# Altium PCB Spektrop2_Processor_Board_V1_draft_v4.PcbDoc (part 2 of 4)
Units mm, origin at the board's own origin, x right, y up, seen from the top; angles counter-clockwise.
Board outline 42 x 42 mm, 8 copper layers (TOP, L1-GND, L2, L3-1V8, L4-PWR, L5, L6-GND, BTM), stack 1.554 mm thick; 281 components, 241 nets, 1443 pads, 627 vias.
Unrouted connection lines stored in the file: 18.
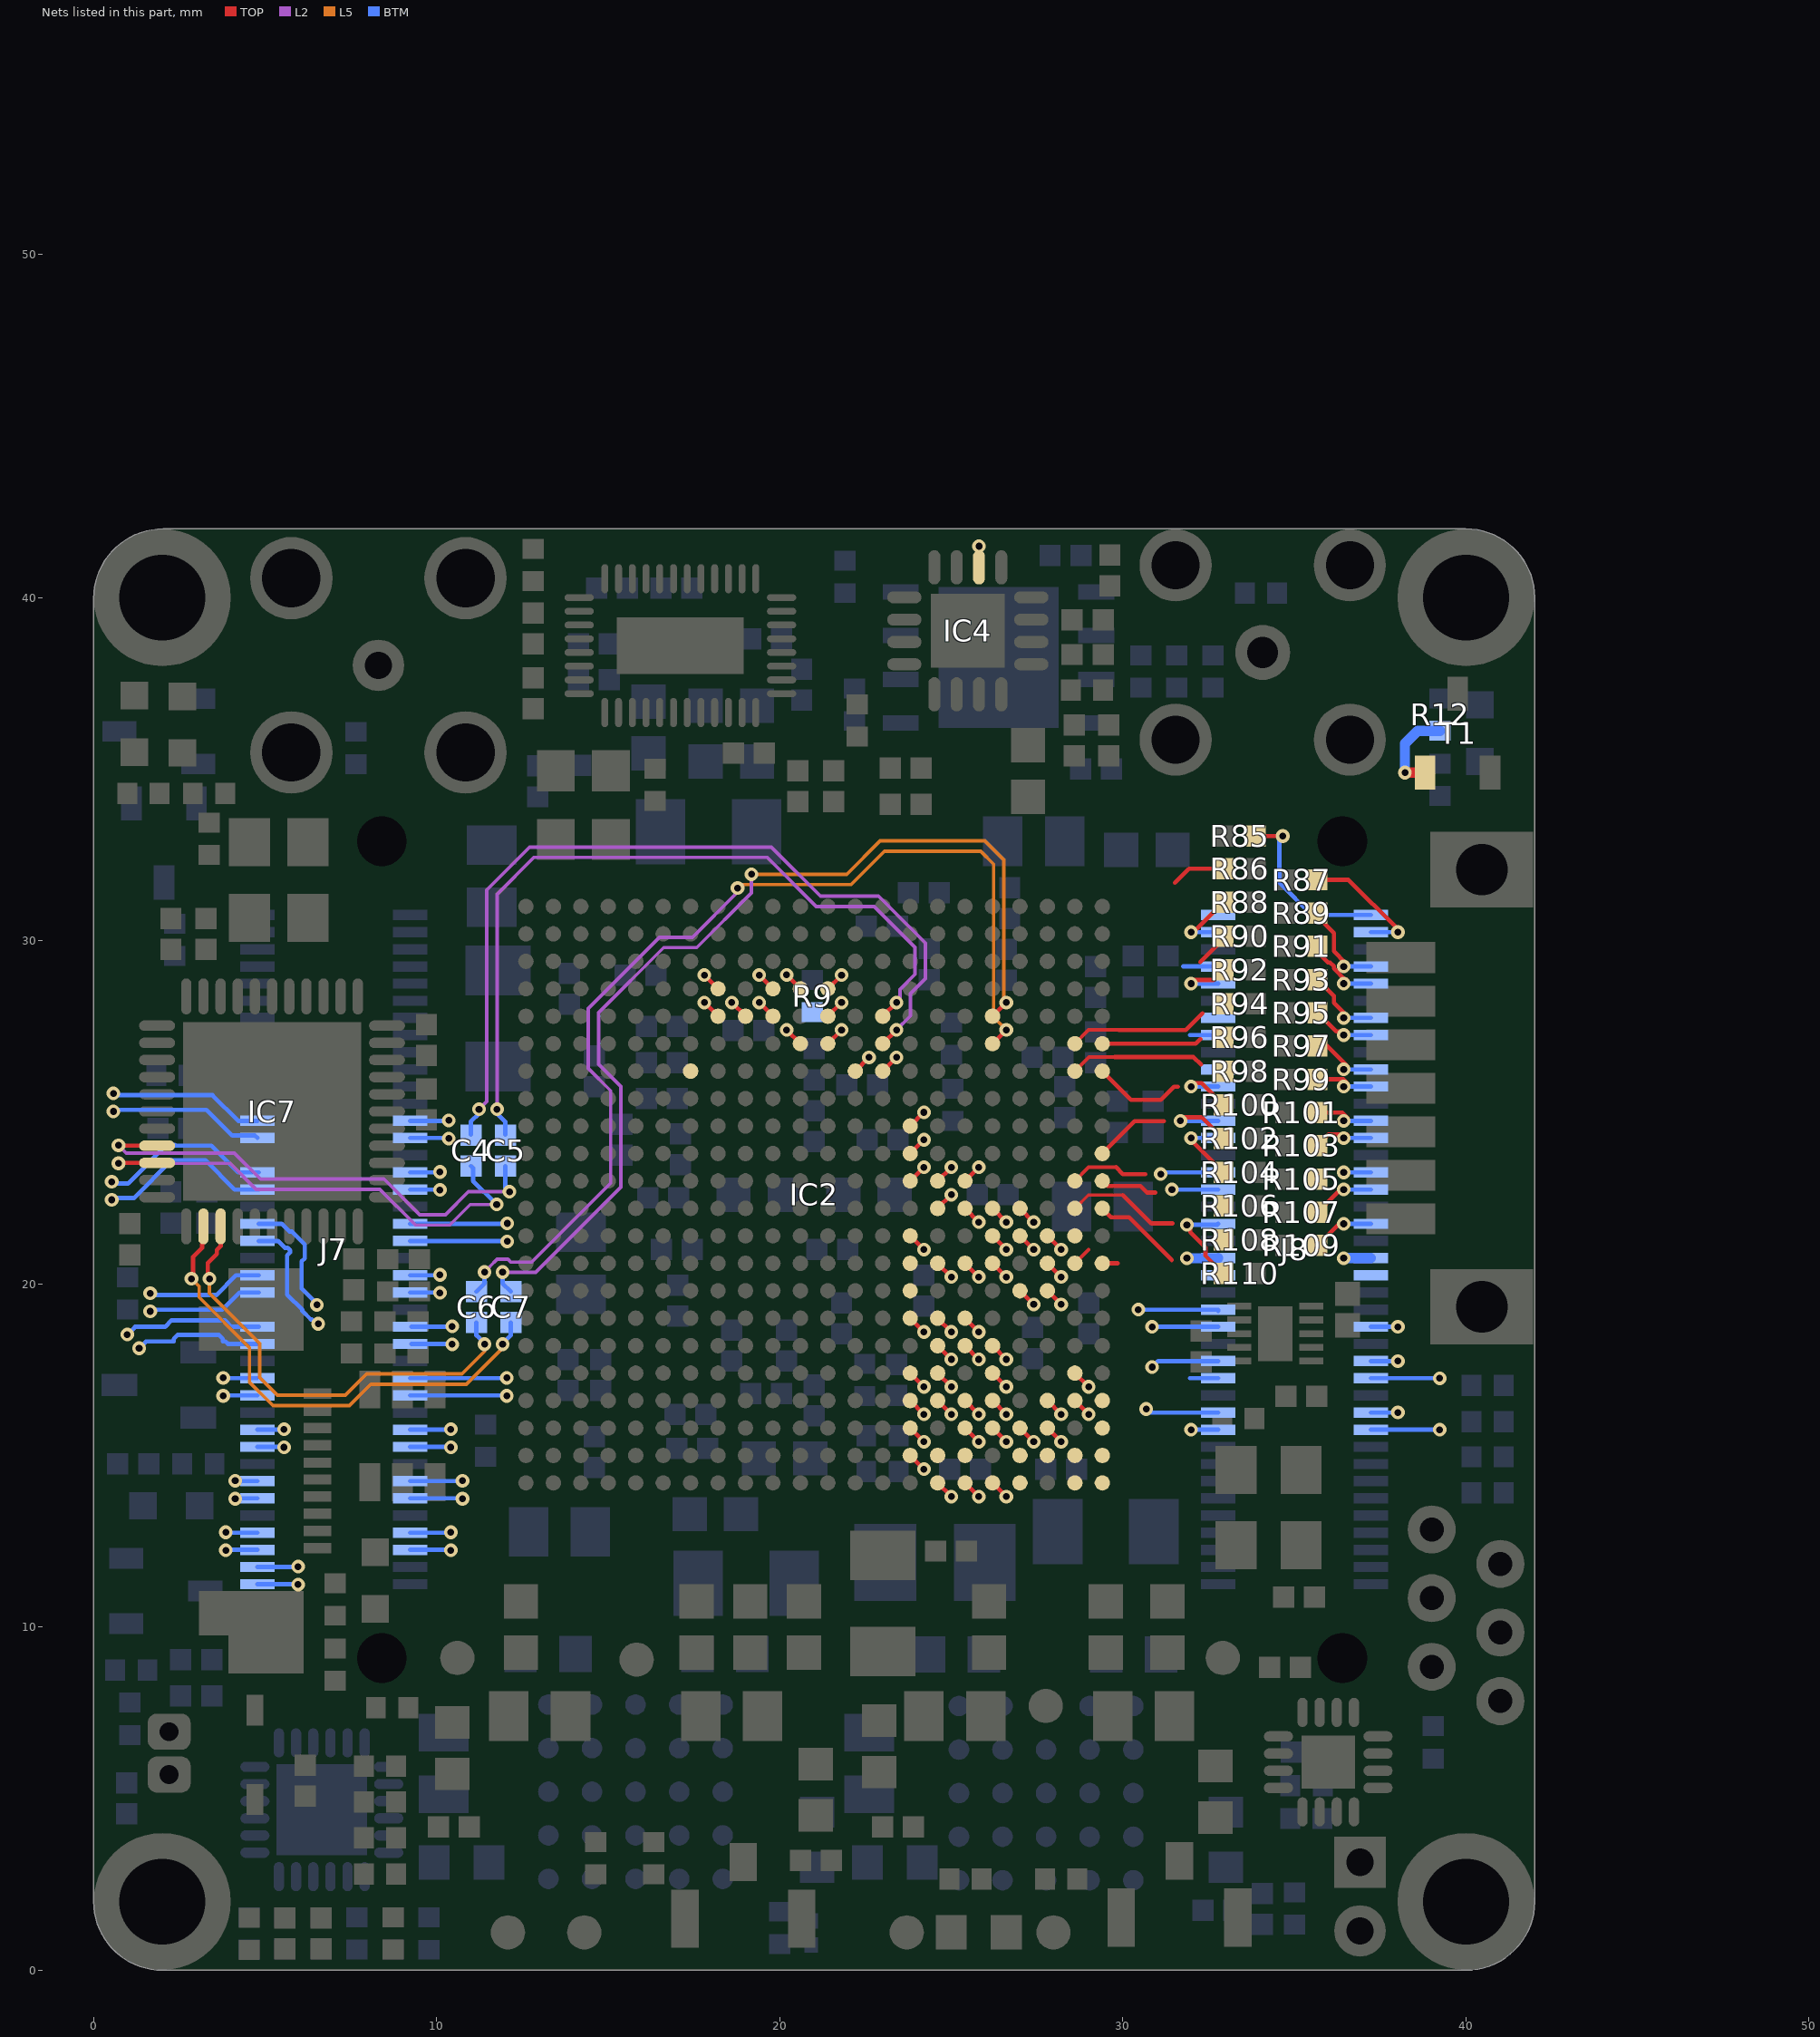
[diagram p8: the nets of this part, all layers, seen from the top]

## Footprints (in the part's own frame and the unit in brackets; to place one, negate y for a bottom-side part, rotate by r counter-clockwise, add the part's x,y. Pads: shape width x height; smd on the part's side, far side on the other; paste and mask are expansions set on the pad) (continued)
QFN65P400X400X95-17N-S215 [mm] "QFN, 0.65mm Pitch, Square; 16 Pin, 4.00mm L X 4.00mm W X 0.95mm H Body (w/Thermal tab 2.15 X 2.15mm), IPC Medium Density"
  oval 1x0.35 smd: 1(-1.85,0.975) 2(-1.85,0.325) 3(-1.85,-0.325) 4(-1.85,-0.975) 9(1.85,-0.975) 10(1.85,-0.325) 11(1.85,0.325) 12(1.85,0.975)
  oval 0.35x1 smd: 5(-0.975,-1.85) 6(-0.325,-1.85) 7(0.325,-1.85) 8(0.975,-1.85) 13(0.975,1.85) 14(0.325,1.85) 15(-0.325,1.85) 16(-0.975,1.85)
  rect 2.15x2.15 smd: 17(0,0)
  silkscreen extent -3.07,-2 2,2, body extent -2,-2 2,2, height 0.95
RESC1005X40N [mm] "Chip Resistor, EIA 0402, Metric 1005, Body 1.0x0.5mm, IPC Medium Density"
  rect 0.58x0.62 smd: 1(-0.47,0) 2(0.47,0)
  body extent -0.52,-0.27 0.53,0.28, height 0.4
RESC1608X55N [mm] "Chip Resistor, EIA 0603, Metric 1608, Body 1.6x0.8mm, IPC Medium Density"
  rect 0.9x1 smd: 1(-0.8,0) 2(0.8,0)
  body extent -0.87,-0.47 0.88,0.48, height 0.55
SAMTEC_ERF5-040-05.0-L-DV-K [mm] "80 Contacts, Pitch 0.5mm, Edge Rate™ Rugged High Speed Straight Socket Strip"
  rect 0.3x1 smd: 1(9.75,2.225) 2(9.75,-2.225) 3(9.25,2.225) 4(9.25,-2.225) 5(8.75,2.225) 6(8.75,-2.225) 7(8.25,2.225) 8(8.25,-2.225) 9(7.75,2.225) 10(7.75,-2.225) 11(7.25,2.225) 12(7.25,-2.225) 13(6.75,2.225) 14(6.75,-2.225) 15(6.25,2.225) 16(6.25,-2.225) 17(5.75,2.225) 18(5.75,-2.225) 19(5.25,2.225) 20(5.25,-2.225) 21(4.75,2.225) 22(4.75,-2.225) 23(4.25,2.225) 24(4.25,-2.225) 25(3.75,2.225) 26(3.75,-2.225) 27(3.25,2.225) 28(3.25,-2.225) 29(2.75,2.225) 30(2.75,-2.225) 31(2.25,2.225) 32(2.25,-2.225) 33(1.75,2.225) 34(1.75,-2.225) 35(1.25,2.225) 36(1.25,-2.225) 37(0.75,2.225) 38(0.75,-2.225) 39(0.25,2.225) 40(0.25,-2.225) 41(-0.25,2.225) 42(-0.25,-2.225) 43(-0.75,2.225) 44(-0.75,-2.225) 45(-1.25,2.225) 46(-1.25,-2.225) 47(-1.75,2.225) 48(-1.75,-2.225) 49(-2.25,2.225) 50(-2.25,-2.225) 51(-2.75,2.225) 52(-2.75,-2.225) 53(-3.25,2.225) 54(-3.25,-2.225) 55(-3.75,2.225) 56(-3.75,-2.225) 57(-4.25,2.225) 58(-4.25,-2.225) 59(-4.75,2.225) 60(-4.75,-2.225) 61(-5.25,2.225) 62(-5.25,-2.225) 63(-5.75,2.225) 64(-5.75,-2.225) 65(-6.25,2.225) 66(-6.25,-2.225) 67(-6.75,2.225) 68(-6.75,-2.225) 69(-7.25,2.225) 70(-7.25,-2.225) 71(-7.75,2.225) 72(-7.75,-2.225) 73(-8.25,2.225) 74(-8.25,-2.225) 75(-8.75,2.225) 76(-8.75,-2.225) 77(-9.25,2.225) 78(-9.25,-2.225) 79(-9.75,2.225) 80(-9.75,-2.225)
  round 0.5 hole 1.45 unplated mask+0.475: 81(-11.9,1.4) 82(11.9,1.4)
  silkscreen extent -13.4,-2.47 13.4,2.47, body extent -13.4,-2.47 13.4,2.48, height 4.91
SOD2513X114N [mm] "SOD-323 Diode; 1.75mm W X 1.30mm L X 1.14mm H Body, IPC Medium Density"
  rect 0.9x0.5 smd: 1(-1.3,0) 2(1.3,0)
  silkscreen extent -1.45,-0.72 0.95,0.82, body extent -1.4,-0.72 1.4,0.73, height 1.15
SON40P200X200X80-11N-R100X160 [mm] "SON, 0.40mm Pitch; 10 Pin, 2.00mm W X 2.00mm L X 0.80mm H Body, (w/thermal tab 1.00 X 1.60 mm), IPC Medium Density"
  rect 0.7x0.2 smd: 1(-1.05,0.8) 2(-1.05,0.4) 3(-1.05,0) 4(-1.05,-0.4) 5(-1.05,-0.8) 6(1.05,-0.8) 7(1.05,-0.4) 8(1.05,0) 9(1.05,0.4) 10(1.05,0.8)
  rect 1x1.6 smd paste-0.225: 11(0,0)
  silkscreen extent -2.02,0.68 -1.78,0.92, body extent -1.05,-1.05 1.05,1.05, height 0.8
SON127P600X500X80-9N-R350X410 [mm] "SON, 1.27mm pitch, 8 pin, 6.00mm W X 5.00mm L X 0.80mm H body (w/thermal tab  3.50 X 4.10 mm), IPC Medium Density"
  rect 1.05x0.45 smd: 1(-2.85,1.905) 2(-2.85,0.635) 3(-2.85,-0.635) 4(-2.85,-1.905) 5(2.85,-1.905) 6(2.85,-0.635) 7(2.85,0.635) 8(2.85,1.905)
  rect 3.5x4.1 smd: 9(0,0)
  silkscreen extent -3.97,-2.5 1.95,2.5, body extent -3,-2.5 3,2.5, height 0.8
SOT95P230X110-3N [mm] "SOT23, 3 pin, Pitch 0.95mm - 1.3mm W X 2.9mm L X 1.1mm H, IPC Medium Density"
  rect 1x0.6 smd: 1(-1.15,0.95) 2(-1.15,-0.95) 3(1.15,0)
  silkscreen extent -1.52,-1.45 0.33,1.87, body extent -1.08,-1.5 1.25,1.5, height 1.1
SOT95P240X130-3N [mm] "SOT23 3-Leads, Pitch 0.95mm - Body 1.3x2.9mm, IPC Medium Density"
  rect 1.05x0.65 smd: 1(-1.15,0.95) 2(-1.15,-0.95) 3(1.15,0)
  silkscreen extent -1.53,-1.45 0.3,1.92, body extent -1.25,-1.5 1.25,1.5, height 1.3
SOT95P280X110-6N [mm] "SOT, 0.95mm Pitch; 6 Pin, 1.60mm W X 2.90mm L X 1.10mm H Body, IPC Medium Density"
  rect 1.1x0.6 smd: 1(-1.35,0.95) 2(-1.35,0) 3(-1.35,-0.95) 4(1.35,-0.95) 5(1.35,0) 6(1.35,0.95)
  silkscreen extent -1.77,-1.45 0.48,1.88, body extent -1.4,-1.5 1.4,1.5, height 1.1
XTAL_TXC_7M [mm] "4 Pins, 2.5x3.2mm, SMD Sealing Crystal, 7M Serie"
  rect 1.2x1.4 smd: 1(-0.85,1.1) 2(-0.85,-1.1) 3(0.85,-1.1) 4(0.85,1.1)
  silkscreen extent -2.12,1.08 -1.88,1.32, body extent -1.25,-1.6 1.25,1.6, height 0.8

## Part data
B1 B2 B3 B4 B5 B6 B7 B8: library part SMD_PAD_D1MM, "Through Hole Pad", Author="CERN DEM JLC", ComponentHeight=0mm, Component Type="Standard (No BOM)", CreateDate=10-Oct-17, Family="SMD Pad", HelpURL=Undefined, LatestRevisionDate=10-Oct-17, Mounted=No, PackageDescription="1mm Diameter SMD Pad", Part Description="1mm Diameter SMD Pad", Part Number=SMD_PAD_D1MM, Pin Count=1, Sense=No, SMD=No, Socket=No, Status=None
C1 C115 C116 C117 C118 C119 C120 C121 C122 C125 C134 C135: library part CC0402_1UF_16V_10%_X5R, "Non-polarised capacitor", Case=0402, Manufacturer=GENERIC, Manufacturer1 ComponentHeight=0.55mm, Manufacturer1 Example=TDK, Manufacturer1 Part Number=C1005X5R1C105KT, Tolerance=±10%, Voltage=16V, Author="CERN DEM JLC", Component Type=Standard, HelpURL=\\cern.ch\dfs\Applications\Altium\Datasheets\CC0402_X5R_TDK_C.pdf, Manufacturer Part Number=CC0402_1UF_16V_10%_X5R, Mounted=Yes, Part Description="SMD Multilayer Chip Ceramic Capacitor", Part Number=CC0402_1UF_16V_10%_X5R, Pin Count=2, Sense=No, SMD=Yes, Socket=No, Status=Preferred, TC=X5R
  C1 C115 C116 C117 C118 C119 C120 C121 C125 C134 C135: CreateDate=25-Oct-12, LatestRevisionDate=25-Oct-12
  C122: CreateDate=2012-10-25, LatestRevisionDate=2012-10-25
C2 C3 C89 C90 C98 C99 C102 C126 C128 C129 C132 C133: library part CC0402_100NF_16V_10%_X5R, "Non-polarised capacitor", Case=0402, Manufacturer=GENERIC, Manufacturer1 ComponentHeight=0.55mm, Manufacturer1 Example=MURATA, Manufacturer1 Part Number=GRM155R61C104KA88D, Tolerance=±10%, Voltage=16V, Author="CERN DEM JLC", Component Type=Standard, CreateDate=10-Dec-13, HelpURL=\\cern.ch\dfs\Applications\Altium\Datasheets\CC0402_X5R_MURATA_GRM.pdf, LatestRevisionDate=10-Dec-13, Manufacturer Part Number=CC0402_100NF_16V_10%_X5R, Mounted=Yes, Part Description="SMD Multilayer Chip Ceramic Capacitor", Part Number=CC0402_100NF_16V_10%_X5R, Pin Count=2, Sense=No, SMD=Yes, Socket=No, Status=None, TC=X5R
C4 C5 C6 C7 C8 C9 C10 C11 C12 C13 C14 C15 C19 C20 C47 C48 C74 C76 C77 C80 C123: library part CC0402_100NF_16V_10%_X7R, "Non-polarised capacitor", Case=0402, Manufacturer=GENERIC, Manufacturer1 ComponentHeight=0.55mm, Manufacturer1 Example=MURATA, Manufacturer1 Part Number=GRM155R71C104KA88D, Tolerance=±10%, Voltage=16V, Author="CERN DEM JLC", Component Type=Standard, HelpURL=\\cern.ch\dfs\Applications\Altium\Datasheets\CC0402_X7R_MURATA_GRM.pdf, Manufacturer Part Number=CC0402_100NF_16V_10%_X7R, Mounted=Yes, Part Description="SMD Multilayer Chip Ceramic Capacitor", Part Number=CC0402_100NF_16V_10%_X7R, Pin Count=2, Sense=No, SMD=Yes, Socket=No, Status="Not Recommended", TC=X7R
  C4 C5 C6 C7 C8 C9 C10 C11 C12 C13 C14 C15 C74 C76 C77 C80: CreateDate=05-Dec-13, LatestRevisionDate=03-Dec-07
  C19 C20 C47 C48 C123: CreateDate=12/5/2013, LatestRevisionDate=12/3/2007
C18 C22 C23 C25 C27 C28 C30 C31 C46 C50 C51 C53 C56 C58 C63 C67 C70 C75 C110 C111: library part CC0402_4.7UF_6.3V_20%_X5R, "Non-polarised capacitor", Case=0402, Manufacturer=GENERIC, Manufacturer1 ComponentHeight=0.65mm, Manufacturer1 Example=TDK, Manufacturer1 Part Number=C1005X5R0J475M050BC, Tolerance=±20%, Voltage=6.3V, Author="CERN DEM JLC", Component Type=Standard, HelpURL=\\cern.ch\dfs\Applications\Altium\Datasheets\CC0402_X5R_TDK_C.pdf, Manufacturer Part Number=CC0402_4.7UF_6.3V_20%_X5R, Mounted=Yes, Part Description="SMD Multilayer Chip Ceramic Capacitor", Part Number=CC0402_4.7UF_6.3V_20%_X5R, Pin Count=2, Sense=No, SMD=Yes, Socket=No, Status=Preferred, TC=X5R
  C18 C22 C23 C25 C27 C28 C30 C31 C46 C50 C51 C53 C56 C58 C63 C67 C70 C75: CreateDate=3/3/2015, LatestRevisionDate=3/3/2015
  C110 C111: CreateDate=03-Mar-15, LatestRevisionDate=03-Mar-15
C21: library part CTE3528-21_330UF_2.5V_20%_LESR0015_KEMET_T520, "Polarised capacitor", Case=B, Manufacturer=KEMET, Manufacturer Part Number=T520B337M2R5ATE015, Tolerance=±20%, Voltage=2.5V, Author="CERN DEM JLC", ComponentHeight=2.1mm, Component Type=Standard, CreateDate=07-Mar-12, HelpURL=\\cern.ch\dfs\Applications\Altium\Datasheets\CTE-LESR_KEMET_T520.pdf, LatestRevisionDate=01-Sep-14, Mounted=Yes, Part Description="Low ESR 0R015 Tantalum Chip Capacitor", Part Number=CTE3528-21_330UF_2.5V_20%_LESR0015_KEMET_T520, Pin Count=2, Sense=No, SMD=Yes, Socket=No, Status=None
C24 C52 C55 C66 C69: library part CC1206_100UF_10V_20%_X5R, "Non-polarised capacitor", Case=1206, Manufacturer=GENERIC, Manufacturer1 ComponentHeight=1.9mm, Manufacturer1 Example=TDK, Manufacturer1 Part Number=C3216X5R1A107M160AC, Tolerance=±20%, Voltage=10V, Author="CERN DEM MR", Component Type=Standard, CreateDate=3/14/2017, HelpURL=\\cern.ch\dfs\Applications\Altium\Datasheets\CC1206_X5R_TDK_C.pdf, LatestRevisionDate=3/14/2017, Manufacturer Part Number=CC1206_100UF_10V_20%_X5R, Mounted=Yes, Part Description="SMD Multilayer Chip Ceramic Capacitor", Part Number=CC1206_100UF_10V_20%_X5R, Pin Count=2, Sense=No, SMD=Yes, Socket=No, Status=None, TC=X5R
C26 C29 C32 C49 C62 C87 C91 C96 C100: library part CC0805_47UF_6.3V_20%_X5R, "Non-polarised capacitor", Case=0805, Manufacturer=GENERIC, Manufacturer1 ComponentHeight=1.4mm, Manufacturer1 Example=KEMET, Manufacturer1 Part Number=C0805C476M9PACTU, Tolerance=±20%, Voltage=6.3V, Author="CERN DEM JLC", Component Type=Standard, HelpURL=\\cern.ch\dfs\Applications\Altium\Datasheets\CC0805_X5R_KEMET.pdf, Manufacturer Part Number=CC0805_47UF_6.3V_20%_X5R, Mounted=Yes, Part Description="SMD Multilayer Chip Ceramic Capacitor", Part Number=CC0805_47UF_6.3V_20%_X5R, Pin Count=2, Sense=No, SMD=Yes, Socket=No, Status=Preferred, TC=X5R
  C26 C29 C32 C49 C62: CreateDate=10/16/2012, LatestRevisionDate=10/16/2012
  C87 C91 C96 C100: CreateDate=16-Oct-12, LatestRevisionDate=16-Oct-12
C33 C34 C35 C36 C37 C38 C39 C40 C41 C42 C43 C44 C45 C54 C57 C59 C60 C61 C64 C65 C68 C71 C72 C112: library part CC0402_470NF_16V_10%_X5R, "Non-polarised capacitor", Case=0402, Manufacturer=GENERIC, Manufacturer1 ComponentHeight=0.55mm, Manufacturer1 Example=TDK, Manufacturer1 Part Number=C1005X5R1C105KT, Tolerance=±10%, Voltage=16V, Author="CERN DEM JLC", Component Type=Standard, HelpURL=\\cern.ch\dfs\Applications\Altium\Datasheets\CC0402_X5R_TDK_C.pdf, Manufacturer Part Number=CC0402_470NF_16V_10%_X5R, Mounted=Yes, Part Description="SMD Multilayer Chip Ceramic Capacitor", Part Number=CC0402_470NF_16V_10%_X5R, Pin Count=2, Sense=No, SMD=Yes, Socket=No, Status=Preferred, TC=X5R
  C33 C34 C35 C36 C37 C38 C39 C40 C41 C42 C43 C44 C45 C54 C57 C59 C60 C61 C64 C65 C68 C71 C72: CreateDate=10/25/2012, LatestRevisionDate=10/25/2012
  C112: CreateDate=25-Oct-12, LatestRevisionDate=25-Oct-12
C73 C127 C130 C131: library part CC0603_10UF_10V_10%_X5R, "Non-polarised capacitor", Case=0603, Manufacturer=GENERIC, Manufacturer1 ComponentHeight=0.8mm, Manufacturer1 Example=MURATA, Manufacturer1 Part Number=GRM188R61A106KE69D, Tolerance=±10%, Voltage=10V, Author="CERN DEM JLC", Component Type=Standard, HelpURL=\\cern.ch\dfs\Applications\Altium\Datasheets\CC0603_MURATA_GRM188R61A106KE69D.pdf, Manufacturer Part Number=CC0603_10UF_10V_10%_X5R, Mounted=Yes, Part Description="SMD Multilayer Chip Ceramic Capacitor", Part Number=CC0603_10UF_10V_10%_X5R, Pin Count=2, Sense=No, SMD=Yes, Socket=No, Status=None, TC=X5R
  C73: CreateDate=1/31/2017, LatestRevisionDate=1/31/2017
  C127 C130 C131: CreateDate=31-Jan-17, LatestRevisionDate=31-Jan-17
C78 C79: library part CC0402_33NF_16V_10%_X7R, "Non-polarised capacitor", Case=0402, Manufacturer=GENERIC, Manufacturer1 ComponentHeight=0.55mm, Manufacturer1 Example=PHYCOMP, Manufacturer1 Part Number=223878715643, Tolerance=±10%, Voltage=16V, Author="CERN DEM JLC", Component Type=Standard, CreateDate=03-Dec-07, HelpURL=\\cern.ch\dfs\Applications\Altium\Datasheets\CC0402_X7R_PHYCOMP.pdf, LatestRevisionDate=03-Dec-07, Manufacturer Part Number=CC0402_33NF_16V_10%_X7R, Mounted=Yes, Part Description="SMD Multilayer Chip Ceramic Capacitor", Part Number=CC0402_33NF_16V_10%_X7R, Pin Count=2, Sense=No, SMD=Yes, Socket=No, Status="Not Recommended", TC=X7R
C81 C82 C83 C113 C114: library part CC0402_10NF_16V_10%_X7R, "Non-polarised capacitor", Case=0402, Manufacturer=GENERIC, Manufacturer1 ComponentHeight=0.55mm, Manufacturer1 Example=PHYCOMP, Manufacturer1 Part Number=223878715636, Tolerance=±10%, Voltage=16V, Author="CERN DEM JLC", Component Type=Standard, CreateDate=03-Dec-07, HelpURL=\\cern.ch\dfs\Applications\Altium\Datasheets\CC0402_X7R_PHYCOMP.pdf, LatestRevisionDate=03-Dec-07, Manufacturer Part Number=CC0402_10NF_16V_10%_X7R, Mounted=Yes, Part Description="SMD Multilayer Chip Ceramic Capacitor", Part Number=CC0402_10NF_16V_10%_X7R, Pin Count=2, Sense=No, SMD=Yes, Socket=No, Status="Not Recommended", TC=X7R
C84 C93: library part CC0805_10UF_25V_10%_X5R, "Non-polarised capacitor", Case=0805, Manufacturer=GENERIC, Manufacturer1 ComponentHeight=0.95mm, Manufacturer1 Example=MURATA, Manufacturer1 Part Number=GRM219R61E106KA12D, Tolerance=±10%, Voltage=25V, Author="CERN DEM JLC", Component Type=Standard, CreateDate=2012-10-25, HelpURL=\\cern.ch\dfs\Applications\Altium\Datasheets\CC0805_X5R_MURATA_GRM.pdf, LatestRevisionDate=2016-09-06, Manufacturer Part Number=CC0805_10UF_25V_10%_X5R, Mounted=Yes, Part Description="SMD Multilayer Chip Ceramic Capacitor", Part Number=CC0805_10UF_25V_10%_X5R, Pin Count=2, Sense=No, SMD=Yes, Socket=No, Status=Preferred, TC=X5R
C85 C86 C94 C95: library part CC0603_4.7UF_16V_10%_X5R, "Non-polarised capacitor", Case=0603, Manufacturer=GENERIC, Manufacturer1 ComponentHeight=0.95mm, Manufacturer1 Example="TAIYO YUDEN", Manufacturer1 Part Number=EMK107ABJ475KA-T, Tolerance=±10%, Voltage=16V, Author="CERN DEM JLC", Component Type=Standard, CreateDate=16-Dec-13, HelpURL=\\cern.ch\dfs\Applications\Altium\Datasheets\CC0603_X7R_TAIYO-YUDEN_HIGH-VALUE.pdf, LatestRevisionDate=16-Sep-14, Manufacturer Part Number=CC0603_4.7UF_16V_10%_X5R, Mounted=Yes, Part Description="SMD Multilayer Chip Ceramic Capacitor", Part Number=CC0603_4.7UF_16V_10%_X5R, Pin Count=2, Sense=No, SMD=Yes, Socket=No, Status=None, TC=X5R
C88 C92 C97 C101: library part CC0603_22UF_6.3V_20%_X5R, "Non-polarised capacitor", Case=0603, Manufacturer=GENERIC, Manufacturer1 ComponentHeight=1mm, Manufacturer1 Example=TDK, Manufacturer1 Part Number=C1608X5R0J226M080AC, Tolerance=±20%, Voltage=6.3V, Author="CERN DEM JLC", Component Type=Standard, CreateDate=16-Dec-13, HelpURL=\\cern.ch\dfs\Applications\Altium\Datasheets\CC0603_X5R_TDK_C.pdf, LatestRevisionDate=13-Sep-16, Manufacturer Part Number=CC0603_22UF_6.3V_20%_X5R, Mounted=Yes, Part Description="SMD Multilayer Chip Ceramic Capacitor", Part Number=CC0603_22UF_6.3V_20%_X5R, Pin Count=2, Sense=No, SMD=Yes, Socket=No, Status=None, TC=X5R
C103 C104 C105 C106 C107: library part CC0402_2.7NF_50V_10%_X7R, "Non-polarised capacitor", Case=0402, Manufacturer=GENERIC, Manufacturer1 ComponentHeight=0.55mm, Manufacturer1 Example="YAGEO PHYCOMP", Manufacturer1 Part Number="223858715628 or CC0402KRX7R9BB272", Tolerance=±10%, Voltage=50V, Author="CERN DEM JLC", Component Type=Standard, CreateDate=25-Oct-12, HelpURL=\\cern.ch\dfs\Applications\Altium\Datasheets\CC0402_X7R_PHYCOMP_6.3VTO50V.pdf, LatestRevisionDate=25-Oct-12, Manufacturer Part Number=CC0402_2.7NF_50V_10%_X7R, Mounted=Yes, Part Description="SMD Multilayer Chip Ceramic Capacitor", Part Number=CC0402_2.7NF_50V_10%_X7R, Pin Count=2, Sense=No, SMD=Yes, Socket=No, Status=Preferred, TC=X7R
C124: library part CC0402_10UF_6.3V_20%_X5R, "Non-polarised capacitor", Case=0402, Manufacturer=GENERIC, Manufacturer1 ComponentHeight=0.70mm, Manufacturer1 Example=TDK, Manufacturer1 Part Number=C1005X5R0J106M050BC, Tolerance=±10%, Voltage=6.3V, Author="CERN DEM JLC", Component Type=Standard, CreateDate=07-Jan-15, HelpURL=\\cern.ch\dfs\Applications\Altium\Datasheets\CC0402_X5R_TDK_C.pdf, LatestRevisionDate=07-Jan-15, Manufacturer Part Number=CC0402_10UF_6.3V_20%_X5R, Mounted=Yes, Part Description="SMD Multilayer Chip Ceramic Capacitor", Part Number=CC0402_10UF_6.3V_20%_X5R, Pin Count=2, Sense=No, SMD=Yes, Socket=No, Status=Preferred, TC=X5R
D1: "Diode Schottky  Anode Pin 1 Cathode Pin 3 (Pas de pin 2)", Case=SOT23-3, Manufacturer="FAIRCHILD SEMICONDUCTOR", Power=200mA, Voltage=30V, Author="CERN DEM JLC", Bonding=No, ComponentHeight=1.30mm, Component Type=Standard, CreateDate=9/17/2009, Device=BAT54, HelpURL=\\cern.ch\dfs\Applications\Altium\Datasheets\BAT54.pdf, LatestRevisionDate=5/27/2010, Manufacturer Part Number=BAT54, Mounted=Yes, PackageDescription="SOT23 3-Leads, Pitch 0.95mm - Body 1.3x2.9mm, IPC Medium Density", Part Description="Single Small Signal Schottky Diode", Part Number=BAT54, Pin Count=3, PressFit=No, Sense=No, SMD=Yes, Socket=No
D2: "Unidirectional ESD Protection for Transient Voltage Suppressor Diode", Case=SOD323, Manufacturer=BOURNS, Power=350W, Voltage=12V, Author="CERN DEM BC", Bonding=No, ComponentHeight=1.14mm, Component Type=Standard, CreateDate=26-Jul-17, Device=CDSOD323-T12, HelpURL=\\cern.ch\dfs\Applications\Altium\Datasheets\CDSOD323-T12.pdf, LatestRevisionDate=26-Jul-17, Manufacturer Part Number=CDSOD323-T12, Mounted=Yes, PackageDescription="SOD-323 Diode; 1.75mm W X 1.30mm L X 1.14mm H Body, IPC Medium Density", Part Description="Unidirectional ESD Protection for Transient Voltage Suppressor Diode", Part Number=CDSOD323-T12, Pin Count=2, PressFit=No, Sense=No, SMD=Yes, Socket=No
D3: "Quad Common Anode ESD Protection Diodes (30kV)", Case=SOT23-6, Manufacturer="NXP SEMICONDUCTORS", Power=200W, Voltage=3V3, Author="CERN DEM MR", Bonding=No, ComponentHeight=1.1mm, Component Type=Standard, CreateDate=08-Feb-16, Device=PESD3V3S4UD, HelpURL=\\cern.ch\dfs\Applications\Altium\Datasheets\PESD3V3S4UD.pdf, LatestRevisionDate=08-Feb-16, Manufacturer Part Number=PESD3V3S4UD, Mounted=Yes, PackageDescription="SOT, 0.95mm Pitch; 6 Pin, 1.60mm W X 2.90mm L X 1.10mm H Body, IPC Medium Density", Part Description="Quad Common Anode ESD Protection Diodes (30kV)", Part Number=PESD3V3S4UD, Pin Count=6, PressFit=No, Sense=No, SMD=Yes, Socket=No
IC2: "667 MHz Zynq™-7000 AP SoC, 130 PS I/O, 150 FPGA I/O, 484-Ball BGA, Speed Grade 2, Extended Grade, Pb-Free", Case=BGA484, Manufacturer=XILINX, Author="CERN DEM BC", Bonding=No, ComponentHeight=1.6mm, ComponentLink1Description=Package/Pinout, ComponentLink1URL=\\cern.ch\dfs\Applications\Altium\Datasheets\XC7Z015-2CLG485E_Package-Pinout.pdf, Component Type=Standard, CreateDate=7/21/2015, Device=XC7Z015-2CLG485E, HelpURL=\\cern.ch\dfs\Applications\Altium\Datasheets\XC7Z015-2CLG485E.pdf, LatestRevisionDate=7/21/2015, Manufacturer Part Number=XC7Z015-2CLG485E, Mounted=Yes, PackageDescription="BGA, 0.80mm Pitch, Square; 484 Pin, 22 Columns X 22 Rows, Body 19.00mm X 19.00mm X 1.60mm H, IPC Medium Density", Part Description="667 MHz Zynq™-7000 AP SoC, 130 PS I/O, 150 FPGA I/O, 484-Ball BGA, Speed Grade 2, Extended Grade, Pb-Free", Part Number=XC7Z015-2CLG485E, Pin Count=484, PressFit=No, Sense=No, SMD=Yes, Socket=No
IC3: "128 Mbit (16 Mbyte), 3.0 V Quad SPI FL-L  NOR Flash Memory", Case=SON8, Manufacturer=CYPRESS, Author="CERN DEM MR", Bonding=No, ComponentHeight=0.8mm, Component Type=Standard, CreateDate=07-Aug-17, Device=S25FL128LAGNFV01, HelpURL=\\cern.ch\dfs\Applications\Altium\Datasheets\S25FL128LAGNFV01.pdf, LatestRevisionDate=07-Aug-17, Manufacturer Part Number=S25FL128LAGNFV01, Mounted=Yes, PackageDescription="SON, 1.27mm pitch, 8 pin, 6.00mm W X 5.00mm L X 0.80mm H body (w/thermal tab  3.50 X 4.10 mm), IPC Medium Density", Part Description="128 Mbit (16 Mbyte), 3.0 V Quad SPI FL-L  NOR Flash Memory", Part Number=S25FL128LAGNFV01, Pin Count=9, PressFit=No, Sense=No, SMD=Yes, Socket=No
IC4: "6.25Gbps Asymmetric Coax Driver", Case=QFN16, Manufacturer="MICROCHIP TECHNOLOGY", Author="CERN DEM JLC", Bonding=No, ComponentHeight=0.95mm, Component Type=Standard, CreateDate=21-Nov-17, Device=EQCO62T20.3, HelpURL=\\cern.ch\dfs\Applications\Altium\Datasheets\EQCO62T20.3.pdf, LatestRevisionDate=21-Nov-17, Manufacturer Part Number=EQCO62T20.3, Mounted=Yes, PackageDescription="QFN, 0.65mm Pitch, Square; 16 Pin, 4.00mm L X 4.00mm W X 0.95mm H Body (w/Thermal tab 2.15 X 2.15mm), IPC Medium Density", Part Description="6.25Gbps Asymmetric Coax Driver", Part Number=EQCO62T20.3, Pin Count=17, PressFit=No, Sense=No, SMD=Yes, Socket=No
IC5 IC8: "3.6V-20V To 1.5V-12V, Dual 2A or Single 4A  Ultrathin Step-Down DC/DC µModule Regulator", Case=BGA25, Manufacturer="LINEAR TECHNOLOGY", Author="CERN DEM MR", Bonding=No, ComponentHeight=2.62mm, Component Type=Standard, CreateDate=29-Sep-17, Device=LTM4622AEY#PBF, HelpURL=\\cern.ch\dfs\Applications\Altium\Datasheets\LTM4622AEY#PBF.pdf, LatestRevisionDate=29-Sep-17, Manufacturer Part Number=LTM4622AEY#PBF, Mounted=Yes, PackageDescription="BGA, 1.27mm Pitch, Square; 25 Pin, 5 Columns X 5 Rows, 6.25mm X 6.25mm X 2.62mm H", Part Description="3.6V-20V To 1.5V-12V, Dual 2A or Single 4A  Ultrathin Step-Down DC/DC µModule Regulator", Part Number=LTM4622AEY#PBF, Pin Count=25, PressFit=No, Sense=No, SMD=Yes, Socket=No
IC6: "12G UHD-SDI Re-timing Cable Driver", Case=QFN40, Manufacturer=SEMTECH, Author="CERN DEM JLC", Bonding=No, ComponentHeight=1mm, Component Type=Standard, CreateDate=21-Nov-17, Device=GS12281-INE3, HelpURL=\\cern.ch\dfs\Applications\Altium\Datasheets\GS12281-INE3.pdf, LatestRevisionDate=21-Nov-17, Manufacturer Part Number=GS12281-INE3, Mounted=Yes, PackageDescription="QFN, 0.40mm Pitch, Rect., Pin 1 on Short Dimension; 40 Pin, 4.00mm L X 6.00mm W X 1.00mm H Body (w/Thermal Tab 3.70 X 1.68 mm), IPC Medium Density", Part Description="12G UHD-SDI Re-timing Cable Driver", Part Number=GS12281-INE3, Pin Count=41, PressFit=No, Sense=No, SMD=Yes, Socket=No
IC9: "2-A Peak Sink / Source DDR Termination Regulator With VTTREF Buffered Reference for DDR2, DDR3 and DDR3L", Case=SON10, Manufacturer="TEXAS INSTRUMENTS", Author="CERN DEM JLC", Bonding=No, ComponentHeight=0.8mm, Component Type=Standard, CreateDate=22-Jan-15, Device=TPS51206DSQT, HelpURL=\\cern.ch\dfs\Applications\Altium\Datasheets\TPS51206DSQT.pdf, LatestRevisionDate=30-Mar-17, Manufacturer Part Number=TPS51206DSQT, Mounted=Yes, PackageDescription="SON, 0.40mm Pitch; 10 Pin, 2.00mm W X 2.00mm L X 0.80mm H Body, (w/thermal tab 1.00 X 1.60 mm), IPC Medium Density", Part Description="2A Peak Sink / Source DDR Termination Regulator With VTTREF Buffered Reference for DDR2, DDR3 and DDR3L", Part Number=TPS51206DSQT, Pin Count=11, PressFit=No, Sense=No, SMD=Yes, Socket=No, Status="Not Recommended"
IC10: "Quad-Voltage, Capacitor-Adjustable, Sequencing/Supervisory Circuits", Case=QFN24, Manufacturer=MAXIM, Author="CERN DEM JLC", Bonding=No, ComponentHeight=0.8mm, Component Type=Standard, CreateDate=26-Feb-15, Device=MAX16043TG+, HelpURL=\\cern.ch\dfs\Applications\Altium\Datasheets\MAX16043TG+.pdf, LatestRevisionDate=26-Feb-15, Manufacturer Part Number=MAX16043TG+, Mounted=Yes, PackageDescription="QFN, 0.50mm Pitch, Square; 24 Pin, 4.00mm L X 4.00mm W X 0.80mm H Body (W/Thermal Tab 2.65mm X 2.65mm), IPC Medium Density", Part Description="Quad-Voltage, Capacitor-Adjustable, Sequencing/Supervisory Circuit", Part Number=MAX16043TG+, Pin Count=25, PressFit=No, Sense=No, SMD=Yes, Socket=No
J1: library part MOLEX_52030-0629, "Connector 6 Female", Manufacturer=MOLEX, Manufacturer Part Number=52030-0629, Author="CERN DEM JLC", ComponentHeight=6.7mm, Component Type=Standard, CreateDate=05-Nov-14, Family=FFC/FPC, HelpURL=\\cern.ch\dfs\Applications\Altium\Datasheets\MOLEX_52030-0629.pdf, LatestRevisionDate=05-Dec-14, Mounted=Yes, Part Description="6 Contacts, 1.0mm Pitch, Vertical Through-Hole FFC/FPC Connector", Part Number=MOLEX_52030-0629, Pin Count=6, PressFit=No, Sense=No, SMD=No, Socket=No, Status=None
J2: library part MOLEX_52745-1097, "Connector 10 Female", Manufacturer=MOLEX, Manufacturer Part Number=52745-1097, Author="CERN DEM JLC", ComponentHeight=2mm, Component Type=Standard, CreateDate=04-Nov-14, Family=FFC/FPC, HelpURL=\\cern.ch\dfs\Applications\Altium\Datasheets\MOLEX_52745-1097.pdf, LatestRevisionDate=05-Dec-14, Mounted=Yes, Part Description="10 Contacts, 0.5mm Pitch, Right Angled Surface Mount FFC/FPC Connector, ZIF, Top Contact Style", Part Number=MOLEX_52745-1097, Pin Count=10, PressFit=No, Sense=No, SMD=Yes, Socket=No, Status=None
J3: library part HARWIN_M22-2510205, "Connector 2 Male", Manufacturer=HARWIN, Manufacturer Part Number=M22-2510205, Author="CERN DEM JLC", ComponentHeight=5mm, Component Type=Standard, CreateDate=21-Jan-15, Family="Header 2", HelpURL=\\cern.ch\dfs\Applications\Altium\Datasheets\HARWIN_M22-2510205.pdf, LatestRevisionDate=14-Apr-15, Mounted=Yes, Part Description="2 Contacts - Pitch 2mm - Single Row Through Mount Straight Header (Post Lead = 3.5mm, Tail Lead 2.3mm, Insulator 1.5mm)", Part Number=HARWIN_M22-2510205, Pin Count=2, PressFit=No, Sense=No, SMD=No, Socket=No, Status=None
J4: library part AMPHENOL_282139-75, Manufacturer=AMPHENOL, Manufacturer Part Number=282139-75, Author="CERN DEM JLC", ComponentHeight=7.4mm, Component Type=Standard, CreateDate=16-Nov-17, Family=75R, HelpURL=\\cern.ch\dfs\Applications\Altium\Datasheets\AMPHENOL_282139-75.pdf, LatestRevisionDate=16-Nov-17, Mounted=Yes, Part Description="75 Ohm 1.0/2.3 Right Angle Through Hole PCB Jack", Part Number=AMPHENOL_282139-75, Pin Count=2, PressFit=No, Sense=No, SMD=No, Socket=No, Status=None
J5: library part MOLEX_53047-0210, "Connector 2 Male", Manufacturer=MOLEX, Manufacturer Part Number=53047-0210, Author="CERN DEM JLC", ComponentHeight=4.2mm, Component Type=Standard, CreateDate=20-Mar-13, Family=PicoBlade, HelpURL=\\cern.ch\dfs\Applications\Altium\Datasheets\MOLEX_53047-0210.pdf, LatestRevisionDate=20-Mar-13, Mounted=Yes, Part Description="1.25mm Pitch PicoBlade™ Wire-to-Board 2 Circuits Vertical Header with Friction Lock", Part Number=MOLEX_53047-0210, Pin Count=2, PressFit=No, Sense=No, SMD=No, Socket=No, Status=None
J6: library part AMPHENOL_34-1030-12G, Manufacturer=AMPHENOL-RF, Manufacturer Part Number=34-1030-12G, Author="CERN DEM JLC", ComponentHeight=8.5mm, Component Type=Standard, CreateDate=21-Feb-17, Family=HD-BNC, HelpURL=\\cern.ch\dfs\Applications\Altium\Datasheets\AMPHENOL_34-1030-12G.pdf, LatestRevisionDate=21-Feb-17, Mounted=Yes, Part Description="75 Ohms HD-BNC Right Angle PCB Receptacle (Jack)", Part Number=AMPHENOL_34-1030-12G, Pin Count=2, PressFit=No, Sense=No, SMD=No, Socket=No, Status=None
J7 J8: library part SAMTEC_ERF5-040-05.0-L-DV-K, "Connector 80 Female", Manufacturer=SAMTEC, Manufacturer Part Number=ERF5-040-05.0-L-DV-K, Author="CERN DEM MR", ComponentHeight=4.91mm, Component Type=Standard, CreateDate=10-Mar-16, Family="Socket 80", HelpURL=\\cern.ch\dfs\Applications\Altium\Datasheets\SAMTEC_ERF5-040-05.0-L-DV-K.pdf, LatestRevisionDate=10-Mar-16, Mounted=Yes, Part Description="80 Contacts, Pitch 0.5mm, Edge Rate™ Rugged High Speed Straight Socket Strip", Part Number=SAMTEC_ERF5-040-05.0-L-DV-K, Pin Count=80, PressFit=No, Sense=No, SMD=Yes, Socket=No, Status=None
J9: library part 3M_5607-4200-SH, "7 Pin + 1 Shield SATA Receptacle", Manufacturer=3M, Manufacturer Part Number=5607-4200-SH, Author="CERN DEM JLC", ComponentHeight=4mm, Component Type=Standard, CreateDate=14-Feb-11, Family=SATA, HelpURL=\\cern.ch\dfs\Applications\Altium\Datasheets\3M_5607-4200-SH.pdf, LatestRevisionDate=31-May-11, Mounted=Yes, Part Description="Signal Plug, Surfacemount, Right Angle,  Serial Advanced Technology Attachment (SATA) Connector, 5607 Series", Part Number=3M_5607-4200-SH, Pin Count=8, PressFit=No, Sense=No, SMD=Yes, Socket=No, Status=None
L1 L2 L3 L4 L5 L6 L7 L9 L10 L11 L12 L13: library part IND0603_MURATA_BLM18SG121TN1D, "Inductor", Case=0603, Manufacturer=MURATA, Manufacturer Part Number=BLM18SG121TN1D, Power=3A, Resistance=0.025R, Tolerance=±25%, Author="CERN DEM JLC", ComponentHeight=0.65mm, Component Type=Standard, HelpURL=\\cern.ch\dfs\Applications\Altium\Datasheets\IND0603_MURATA_BLM18S.pdf, Mounted=Yes, Part Description="SMD EMIFIL Suppression Chip Ferrite Bead", Part Number=IND0603_MURATA_BLM18SG121TN1D, Pin Count=2, Sense=No, SMD=Yes, Socket=No, Status=None
  L1 L2 L3: ClassName=Artix, CreateDate=23.07.2014, LatestRevisionDate=23.07.2014
  L4: CreateDate=7/23/2014, LatestRevisionDate=7/23/2014
  L5 L6 L7 L9 L10 L11 L12 L13: CreateDate=23.07.2014, LatestRevisionDate=23.07.2014
LD1 LD2 LD3 LD4 LD7: library part KINGBRIGHT_KPTR-3216CGCK, "LED Green 1A 2C", Manufacturer Part Number=KPH-1608CGCK, Package Description="SMT Green LED, Case 0603, Body L 1.6 x W 0.8mm H 0.65mm", ComponentHeight=0.65mm, HelpURL=http://datasheet.octopart.com/KPH-1608CGCK-Kingbright-datasheet-62316526.pdf
OSC1: library part OSC_33.33333MHZ_SI-TIME_SiT1602AC-23-18E, "Oscillator 4 pins 1=OE 2=GND 3=OUT 4=VDD", Manufacturer="SI TIME", Manufacturer Part Number=SiT1602AC-23-18E-33.33333, Author="CERN DEM JLC", Bonding=No, ComponentHeight=0.8mm, Component Type=Standard, CreateDate=08-Jul-14, HelpURL=\\cern.ch\dfs\Applications\Altium\Datasheets\OSC_SI-TIME_SiT1602.pdf, LatestRevisionDate=22-Oct-14, Mounted=Yes, PackageDescription="Si Time Oscillators, 4 Pin, Pitch 2.1mm, 3.2mm x 2.5mm x0.75mm", Part Description="1.8V, ±50ppm, 15pF, -20..70°C, 3.2x2.5mm Surface Mount LVCMOS/HCMOS Low Power Frequency Oscillator (SiT1602 Series)", Part Number=OSC_33.33333MHZ_SI-TIME_SiT1602AC-23-18E, Pin Count=4, PressFit=No, Sense=No, SMD=Yes, Socket=No